# Altium PCB PCB2.PcbDoc (part 5 of 5)
Units mil, origin at the board's own origin, x right, y up, seen from the top; angles counter-clockwise.
Board outline 7251.01 x 4901 mil, 2 copper layers (Top Layer, Bottom Layer); 561 components, 222 nets, 3589 pads, 148 vias.
Unrouted connection lines stored in the file: 457.
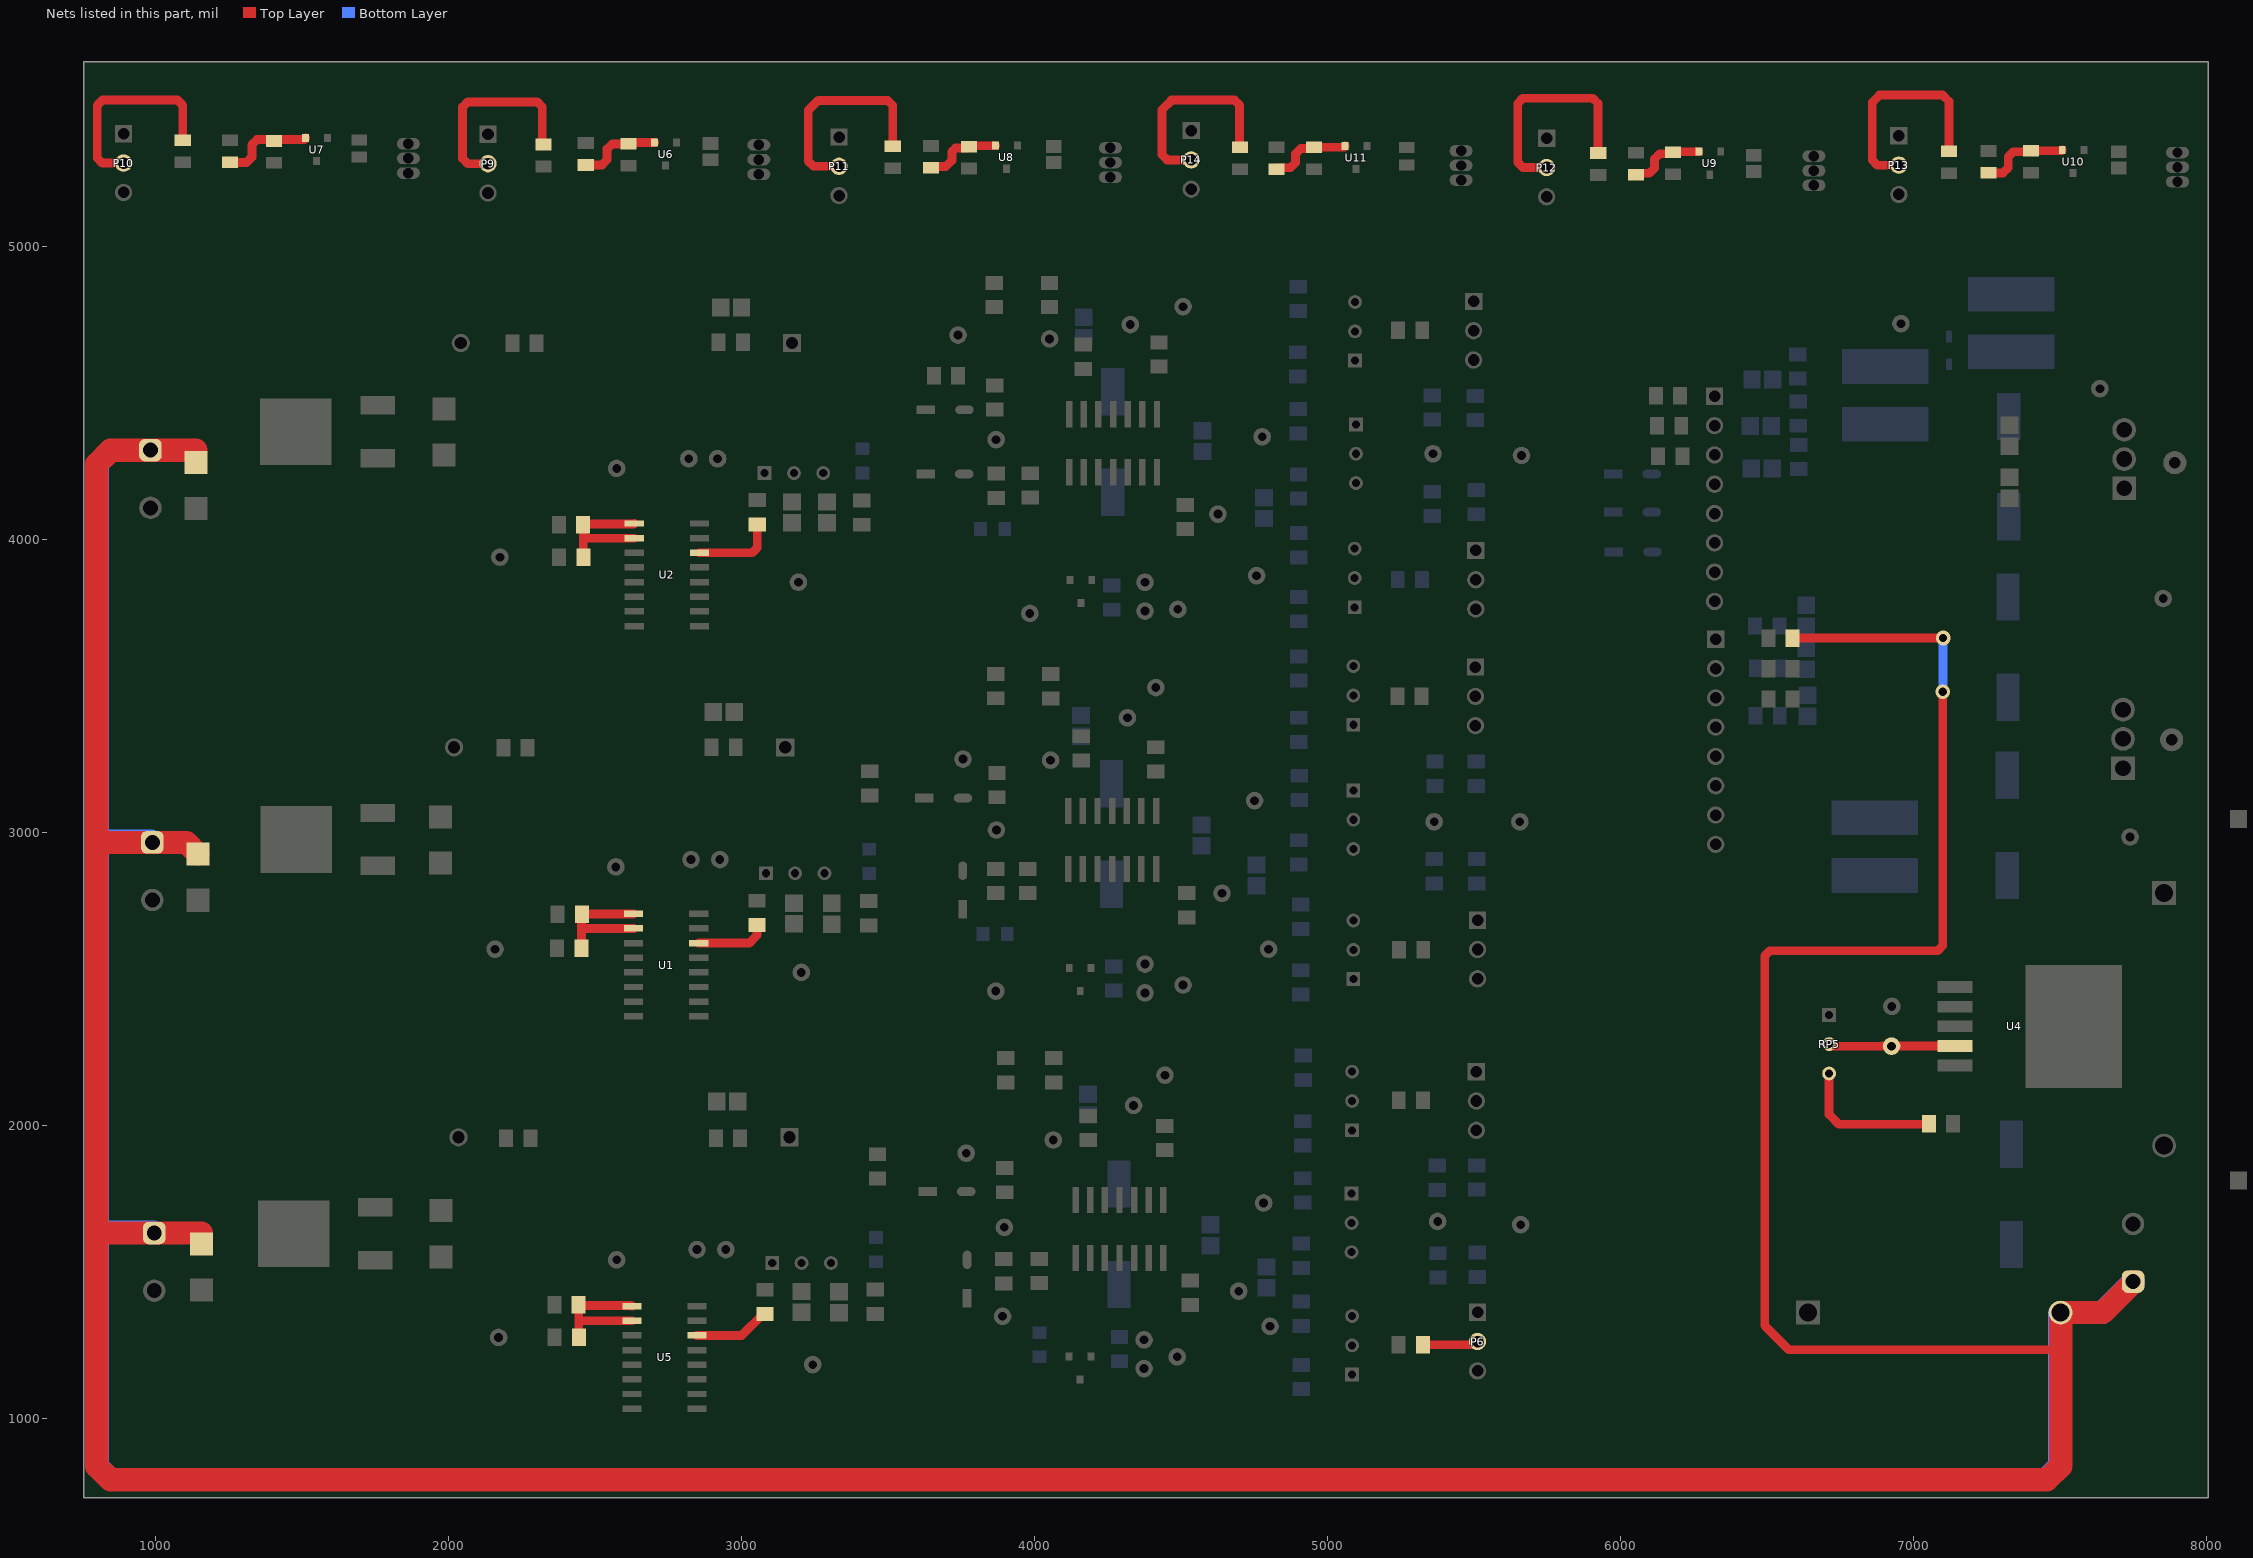
[diagram p5: the nets of this part, all layers, seen from the top]

## Via types
v1: diameter 60/60 (per signal layer), hole 28, Top Layer to Bottom Layer, 93 vias
v2: diameter 50, hole 28, Top Layer to Bottom Layer, 55 vias

## Nets (pads, with @x,y where several pads share a name; then routed paths per layer and width w, separated by ;. In a path a pad name is that pad's centre, name@x,y a point inside that pad or via, vN(x,y) a via of type N, cw(c..) or ccw(c..) an arc to the next point about the centre after c; other vN are vias at no path point) (continued)
NetP6_2: P6.2 R68.1 | length 191.2
  Top Layer w30: R68.1@5324.37,1250 5492.14,1250 5503.14,1261 P6.2@5511,1261
NetP9_2: P9.2 R101.2 | length 686.1
  Top Layer w30: P9.2@2133.81,5281 2064.57,5281 2047,5298.57 2047,5474.43 2064.57,5492 2301.43,5492 2319,5474.43 2319,5350.44 R101.2@2323,5346.44
NetP10_2: P10.2 R102.2 | length 703.7
  Top Layer w30: P10.2@890,5283 817.57,5283 800,5300.57 800,5480.43 817.57,5498 1074.43,5498 1092,5480.43 R102.2@1092,5360.44
NetP11_2: P11.2 R103.2 | length 733.9
  Top Layer w30: P11.2@3331.81,5272 3244.57,5272 3227,5289.57 3227,5463 3261,5497 3497.43,5497 3515,5479.43 R103.2@3515,5340.44
NetP12_2: P12.2 R110.2 | length 764.9
  Top Layer w30: P12.2@5746.81,5268 5665.57,5268 5648,5285.57 5648,5486.43 5665.57,5504 5904.43,5504 5922,5486.43 5922,5318.44 R110.2@5923,5317.44
NetP13_2: P13.2 R111.2 | length 745.6
  Top Layer w30: P13.2@6949,5276 6875.57,5276 6858,5293.57 6858,5490 6883,5515 7098.43,5515 7120,5493.43 R111.2@7120,5323.87
NetP14_2: P14.2 R112.2 | length 689.9
  Top Layer w30: P14.2@4533.81,5294 4451.57,5294 4434,5311.57 4434,5465 4467,5498 4681.43,5498 4699,5480.43 4699,5338.44 R112.2@4700,5337.44
NetP15_2: R40.1
NetP17_2: R141.1
NetP18_2: R163.1
NetP20_2: R174.2
NetP21_2: R175.2
NetP22_2: R176.2
NetP23_2: R185.1
NetP24_2: R202.2
NetP25_2: R203.2
NetP26_2: R204.2
NetP27_2: R213.1
NetP28_2: R228.1
NetQ7_1: Q7.1 R129.1 TP57.1
  other v1: 14445,1820
NetQ8_1: Q8.1 R136.1 TP62.1
  other v1: 8895,1820
NetQ8_4: Q8.4 R144.2
NetQ10_1: Q10.1 R170.1 TP79.1
  other v1: 48845,3055
NetQ11_1: Q11.1 R177.1 TP82.1
  other v1: 44565,3055
NetQ11_4: Q11.4 R188.2
NetQ13_1: Q13.1 R219.1 TP95.1
  other v1: 21680,3055
NetQ14_1: Q14.1 R223.1 TP98.1
  other v1: 18865,3055
NetQ14_4: Q14.4 R231.2
NetR8_2: R8.2 R18.2 U2.9 U2.10 | length 461.7
  Top Layer w30: R8.2@2459.37,3938 2458.87,3938.5 2458.87,4002 ; U2.10@2632.75,4003 2459.87,4003 2458.87,4002 ; U2.9@2632.75,4053 2630.75,4051 2460.37,4051 R18.2@2458.37,4049 2458.87,4048.5 2458.87,4002
NetR12_1: R12.1 U2.6 | length 284.7
  Top Layer w30: U2.6@2855.25,3953 3035.43,3953 3053,3970.57 R12.1@3053,4050.26
NetR33_2: R33.2 RP5.3 | length 495.1
  Top Layer w30: RP5.3@6711,2176 6711,2036 6744,2003 7049.63,2003 R33.2@7051.63,2005
NetR35_2: R35.2 R45.2 U1.9 U1.10 | length 471.2
  Top Layer w30: R35.2@2452.37,2604 2453.19,2604.81 2453.19,2670 ; U1.10@2630.75,2671 2454.19,2671 2453.19,2670 ; U1.9@2630.75,2721 2629.75,2720 2455,2720 R45.2@2454,2719 2453.19,2718.19 2453.19,2670
NetR39_1: R39.1 U1.6 | length 244.6
  Top Layer w30: U1.6@2853.25,2621 3025,2621 3052,2648 R39.1@3052,2682.63
NetR61_2: R61.2 R71.2 U5.9 U5.10 | length 476.5
  Top Layer w30: R71.2@2443,1387 R71.2@2443.5,1386.5 ; R61.2@2444,1276 2443.5,1276.5 2443.5,1331.5 ; U5.10@2625,1332 2444,1332 2443.5,1331.5 ; U5.9@2625,1382 2622.5,1384.5 2445.5,1384.5 R71.2@2443.5,1386.5 ; 2443.5,1331.5 R71.2@2443.5,1386.5
NetR65_1: R65.1 U5.6 | length 261.7
  Top Layer w30: U5.6@2847.5,1282 3000.06,1282 3073.06,1355 R65.1@3079,1355
NetR104_2: R104.2 R107.1 U6.2 | length 288.4
  Top Layer w30: R104.2@2467,5276.56 2522.43,5276.56 2540,5294.14 2540,5330.86 2557.57,5348.44 R107.1@2613,5348.44 2617.56,5353 U6.2@2702.2,5353
NetR105_2: R105.2 R108.1 U7.2 | length 317.8
  Top Layer w30: R105.2@1253,5285.56 1310.43,5285.56 1328,5303.14 1328,5345.67 1345.57,5363.25 1506.48,5363.25 U7.2@1511.6,5368.37
NetR106_2: R106.2 R109.1 U8.2 | length 268.5
  Top Layer w30: R106.2@3646,5266.56 3650.81,5271.38 3696.38,5271.38 3717,5292 3717,5321.86 3729.76,5334.62 3770.19,5334.62 R109.1@3775,5339.44 3777.93,5342.37 U8.2@3865.6,5342.37
NetR113_2: R113.2 R116.1 U9.2 | length 264.9
  Top Layer w30: R113.2@6052,5243.56 6056.81,5248.38 6097.43,5248.38 6115,5265.95 6115,5297.05 6132.57,5314.62 6173.19,5314.62 R116.1@6178,5319.44 6180.56,5322 U9.2@6266.2,5322
NetR114_2: R114.2 R117.1 U10.2 | length 305.7
  Top Layer w30: R114.2@7255,5249.56 7304.43,5249.56 7322,5267.14 7322,5304.43 7339.57,5322 7396.56,5322 R117.1@7400,5325.44 7504.66,5325.44 U10.2@7506.6,5327.37
NetR115_2: R115.2 R118.1 U11.2 | length 284
  Top Layer w30: R115.2@4825,5262.56 4829.81,5267.38 4872.43,5267.38 4890,5284.95 4890,5314.43 4908.2,5332.62 4948.19,5332.62 R118.1@4953,5337.44 5055.63,5337.44 U11.2@5059.2,5341
NetR127_1: R127.1 R129.2
NetR136_2: R136.2 R143.2
NetR138_1: R138.1
NetR167_2: R167.2 RP18.3
NetR168_1: R168.1 R170.2
NetR177_2: R177.2 R187.2
NetR179_1: R179.1
NetR182_2: R182.2 R190.1 U16.2
NetR183_2: R183.2 R191.1 U17.2
NetR184_2: R184.2 R192.1 U18.2
NetR206_2: R206.2 R209.1 U19.2
NetR207_2: R207.2 R210.1 U20.2
NetR208_2: R208.2 R211.1 U21.2
NetR217_1: R217.1 R219.2
NetR223_2: R223.2 R230.2
NetR225_1: R225.1
NetRP5_2: RP5.2 TP19.1 U4.4 | length 819.4
  Top Layer w30: RP5.2@6711,2276 6715.67,2276 RP5.2@6722.67,2269 ; TP19.1@6924,2269 6909,2269 6893.07,2269 RP5.2@6722.67,2269 ; 6954.93,2269 U4.4@7140.19,2269.5 ; U4.4@7140.69,2269.99 U4.4@7140.19,2269.5 ; RP5.2@6722.67,2269 6893.08,2269.36 6924,2269.43 6954.92,2269.5 U4.4@7140.19,2269.5
NetRP18_2: RP18.2 TP73.1
  other v1: 54305,3055
VCC: CR2.2 CR3.2 D1.2 D6.2 D12.2 J1.1 J2.1 J4.1 J5.1 Q7.4 Q10.4 Q13.4 R91.2 R157.2 | length 28216.9
  Top Layer w30: 781,2950.43 798.57,2968 ; 798.57,3879 801.57,3882 ; D1.2@1137,4261.74 1137,4302.43 ; D12.2@1156,1593.74 D12.2@1156,1631.47 ; R91.2@6586.37,3662 v2(7100,3662) ; v2(7099,3479) 7099,2612.57 7081.43,2595 6508.57,2595 6491,2577.43 6491,1315 6573,1233 7501,1233
  Top Layer w78.74: 798.57,2964.85 J2.1@988,2964.85 1103.89,2964.85 D6.2@1144,2924.74 ; J5.1@994.73,1631.47 D12.2@1156,1631.47 ; CR2.2@7501,1360 7644.44,1360 7748.31,1463.87 J1.1@7748.31,1465.57
  Top Layer w80: J5.1@994.69,1631.43 798.57,1631.43 ; 1137,4302.43 984.69,4302.43 845.44,4302.43 798.57,4255.57 798.57,3879 798.57,2968 798.57,2964.85 798.57,1631.43 ; CR2.2@7501,1360 7501,1233 7501,835.86 7454.14,789 845.44,789 798.57,835.86 798.57,1631.43
  Bottom Layer w30: J2.1@983.85,2969 J2.1@988,2964.85 ; J5.1@992.12,1634 J5.1@994.69,1631.43 ; v2(7099,3479) 7100,3480 v2(7100,3662) ; J1.1@7748.69,1465.57 J1.1@7749,1466
  Bottom Layer w78.74: J2.1@983.85,2969 812.57,2969 801,2980.57 ; J4.1@984.69,4302.43 847.12,4302.43 801,4256.31 801,2980.57 ; J5.1@992.12,1634 812.57,1634 801,1645.57 ; CR2.2@7497,1356 7497,836.12 7450.88,790 847.12,790 801,836.12 801,1645.57 ; CR2.2@7501,1360 7643,1360 J1.1@7749,1466 ; 801,1645.57 801,2980.57
pads on no net: U1.3 U2.3 U5.3
copper on no net:
  other v1: 4486,1209 2170,1275 4803,1313 3890,1347 4696,1433 2573,1540 5658.22,1659.78 5375,1671 4781,1734 3766,1904 4063,1949 4337,2067 4506,2478 4798,2600 4639,2791 3869,3007 5363,3035 5655.44,3035 4750,3107 4054,3245 3755,3249 4316,3390 4413,3493 3983,3746 4488,3760 4757,3875 5661,4285 5359,4291 4776,4349 3738,4696 4326,4732 6956,4735 4506,4793

## Silkscreen, mask and mechanical layers (free items; w line width, h text height)
Top Solder:
  circle w80: c1029,1024 r120
  circle w80: c958,4786 r120
  circle w39.37: c1830,5105 r66.93
  circle w39.37: c1831,5508 r66.93
  circle w80: c7761,976 r120
  circle w39.37: c3031,5100 r66.93
  circle w39.37: c3033,5504 r66.93
  circle w39.37: c4232,5108 r66.93
  circle w39.37: c4233,5511 r66.93
  circle w39.37: c5434,5102 r66.93
  circle w39.37: c5435,5505 r66.93
  circle w80: c7797,4783 r120
  circle w39.37: c6641,5095 r66.93
  circle w39.37: c6643,5499 r66.93
  circle w39.37: c7867,5099 r66.93
  circle w39.37: c7868,5502 r66.93
  rectangle: 1216,3129 1219,3132
Bottom Solder:
  circle w80: c1027,1024 r120
  circle w80: c957,4783 r120
  circle w39.37: c1831,5105 r66.93
  circle w39.37: c1832,5508 r66.93
  circle w39.37: c3032,5101 r66.93
  circle w39.37: c3033,5504 r66.93
  circle w80: c7760,979 r120
  circle w39.37: c4233,5108 r66.93
  circle w39.37: c4233,5512 r66.93
  circle w39.37: c6641,5095 r66.93
  circle w39.37: c5434,5102 r66.93
  circle w39.37: c6642,5499 r66.93
  circle w39.37: c5435,5506 r66.93
  circle w80: c7800,4782 r120
  circle w39.37: c7866,5099 r66.93
  circle w39.37: c7868,5503 r66.93
Mechanical 1:
  circle w10: c1030,1026 r100
  circle w10: c1471.11,1282.58 r43.01
  circle w10: c1468.79,1993 r43.01
  circle w10: c1471.15,2622.87 r43.01
  circle w10: c1469,3333 r43.01
  circle w10: c956,4786 r100
  circle w10: c1457.69,4730 r43.01
  circle w10: c1460.53,4011.22 r43.01
  circle w10: c1830,5105 r39.37
  circle w10: c1831.22,5508.46 r39.37
  circle w10: c3032,5100 r39.37
  circle w10: c3033.22,5503.46 r39.37
  circle w10: c7760,975 r100
  circle w10: c7797,4783 r100
  circle w10: c4232,5108 r39.37
  circle w10: c4233.22,5511.46 r39.37
  circle w10: c5434,5102 r39.37
  circle w10: c5435.22,5505.46 r39.37
  circle w10: c6641,5095 r39.37
  circle w10: c6642.22,5498.46 r39.37
  circle w10: c7867,5099 r39.37
  circle w10: c7868.22,5502.46 r39.37
  pour cut-out: 1428.1,1282.58 ccw(c1471.11,1282.58) 1471.11,1239.56 ccw(c1471.11,1282.58) 1514.12,1282.58 ccw(c1471.11,1282.58) 1471.11,1325.59 ccw(c1471.11,1282.58)
  pour cut-out: 1425.78,1993 ccw(c1468.79,1993) 1468.79,1949.99 ccw(c1468.79,1993) 1511.8,1993 ccw(c1468.79,1993) 1468.79,2036.01 ccw(c1468.79,1993)
  pour cut-out: 1428.14,2622.87 ccw(c1471.15,2622.87) 1471.15,2579.86 ccw(c1471.15,2622.87) 1514.16,2622.87 ccw(c1471.15,2622.87) 1471.15,2665.89 ccw(c1471.15,2622.87)
  pour cut-out: 1413.57,4729.76 ccw(c1456.58,4729.76) 1456.58,4686.75 ccw(c1456.58,4729.76) 1499.6,4729.76 ccw(c1456.58,4729.76) 1456.58,4772.77 ccw(c1456.58,4729.76)
  pour cut-out: 1425.99,3333 ccw(c1469,3333) 1469,3289.99 ccw(c1469,3333) 1512.01,3333 ccw(c1469,3333) 1469,3376.01 ccw(c1469,3333)
  pour cut-out: 1928.72,5039.79 1928.68,5540.02 cw(c1957.15,5540.02) 1985.62,5539.93 1985.67,5039.79 cw(c1957.19,5039.79)
  pour cut-out: 3130.25,5040.79 3130.21,5541.02 cw(c3158.68,5541.02) 3187.15,5540.93 3187.19,5040.79 cw(c3158.72,5040.79)
  pour cut-out: 4332.23,5039.79 4332.18,5540.02 cw(c4360.66,5540.02) 4389.13,5539.93 4389.17,5039.79 cw(c4360.7,5039.79)
  pour cut-out: 5536.24,5040.79 5536.19,5541.02 cw(c5564.66,5541.02) 5593.14,5540.93 5593.18,5040.79 cw(c5564.71,5040.79)
  pour cut-out: 6743.23,5039.79 6743.18,5540.02 cw(c6771.66,5540.02) 6800.13,5539.93 6800.17,5039.79 cw(c6771.7,5039.79)
  lines w0.5: 792,4960.94 1860.22,4961.04 ccw(c1860.22,4989.52) 1860.22,5017.99 792.09,5017.99 ccw(c792,4989.52) 792,4961.04 ; 2024.78,4962.43 3093,4962.52 ; 2024.78,4962.53 cw(c2024.78,4991) 2024.87,5019.47 3093,5019.47 cw(c3093,4991) 3093,4962.53 ; 3230.78,4959.43 4299,4959.52 ; 3230.78,4959.53 cw(c3230.78,4988) 3230.87,5016.47 4299,5016.47 cw(c4299,4988) 4299,4959.53 ; 4423.78,4959.43 5492,4959.52 ; 4423.78,4959.53 cw(c4423.78,4988) 4423.87,5016.47 5492,5016.47 cw(c5492,4988) 5492,4959.53 ; 5638.78,4960.43 6707,4960.52 ; 5638.78,4960.53 cw(c5638.78,4989) 5638.87,5017.47 6707,5017.47 cw(c6707,4989) 6707,4960.53 ; 6854.78,4964.43 7923,4964.52 ; 6854.78,4964.53 cw(c6854.78,4993) 6854.87,5021.47 7923,5021.47 cw(c7923,4993) 7923,4964.53 ; 1928.72,5039.79 ccw(c1957.19,5039.79) 1985.67,5039.79 1985.62,5539.93 ccw(c1957.15,5540.02) 1928.68,5540.02 1928.72,5039.79 ; 3130.21,5541.02 cw(c3158.68,5541.02) 3187.15,5540.93 3187.19,5040.79 cw(c3158.72,5040.79) 3130.25,5040.79 3130.2,5541.02 ; 4332.18,5540.02 cw(c4360.66,5540.02) 4389.13,5539.93 4389.17,5039.79 cw(c4360.7,5039.79) 4332.23,5039.79 4332.18,5540.02 ; 5536.19,5541.02 cw(c5564.66,5541.02) 5593.14,5540.93 5593.18,5040.79 cw(c5564.71,5040.79) 5536.24,5040.79 5536.19,5541.02 ; 6743.18,5540.02 cw(c6771.66,5540.02) 6800.13,5539.93 6800.17,5039.79 cw(c6771.7,5039.79) 6743.23,5039.79 6743.18,5540.02
  lines w10: 754,732 7994,732 7994,5620 754,5620 754,732
  lines w47.24: 749,739 749,5634 ; 7989,749 7989,5634
  lines w51.18: 754,728 8005.01,728 8005.01,5629 754,5629 754,728
Top Assembly:
  drawing of 216 lines, arcs and shapes, not listed
  text "J4" at 990.02,4257.7 h30 r90
  text "J2" at 993.33,2920.11 h30 r90
  text "J1" at 7733.83,1776.4 h30 r270
  text "J5" at 1000.02,1586.7 h30 r90
Top 3D Body:
  drawing of 1068 lines, arcs and shapes, not listed
  text "R88" at 2966.5,4675.94 h30
  text "R86" at 2253.87,4663.06 h30 r180
  text "Q1" at 1623.02,4370.5 h30 r90
  text "D16" at 1987.5,4360.5 h30 r270
  text "C2" at 7331.94,4348.04 h30 r270
  text "D4" at 3409.09,4262.5 h30 r270
  text "RP3" at 3175.53,4220.3 h30 r270
  text "D1" at 1132.5,4187.5 h30 r90
  text "C3" at 7322.06,4179.5 h30 r90
  text "R12" at 3048.5,4096.13 h30 r90
  text "C5" at 3286.06,4095.5 h30 r90
  text "R11" at 3405.5,4094.5 h30 r90
  text "C4" at 3176.94,4086.5 h30 r270
  text "R13" at 3534.94,4085.5 h30 r270
  text "R18" at 2421.5,4053.94 h30
  text "R8" at 2422.5,3942.94 h30
  text "R97" at 2942.5,3293.94 h30
  text "R95" at 2222.87,3282.06 h30 r180
  text "Q3" at 1588.02,2979.5 h30 r90
  text "D8" at 1976.5,2968.5 h30 r270
  text "D10" at 3432.53,2895.5 h30 r270
  text "RP8" at 3179.53,2854.5 h30 r270
  text "D6" at 1139.5,2850.5 h30 r90
  text "R39" at 3047.06,2728.5 h30 r90
  text "R38" at 3428.06,2727.5 h30 r90
  text "C15" at 3302.06,2725.5 h30 r90
  text "R45" at 2417.13,2723.94 h30
  text "R40" at 3556.94,2719.5 h30 r270
  text "C14" at 3182.94,2717.5 h30 r270
  text "R35" at 2415.5,2608.94 h30
  text "U4" at 7400.5,2332.5 h30 r270
  text "RP5" at 6706.3,2278.47 h30 r180
  text "R33" at 7088.5,2000.06 h30 r180
  text "R100" at 2957.5,1959.94 h30
  text "R98" at 2232.5,1950.06 h30 r180
  text "Q5" at 1579.02,1633.5 h30 r90
  text "D14" at 1978.5,1624.5 h30 r270
  text "D17" at 3455.09,1570.5 h30 r270
  text "RP12" at 3201.09,1524.3 h30 r270
  text "D12" at 1151.5,1519.5 h30 r90
  text "R65" at 3074.06,1400.87 h30 r90
  text "R64" at 3451.06,1401.5 h30 r90
  text "C21" at 3326.06,1399.5 h30 r90
  text "C20" at 3207.94,1392.04 h30 r270
  text "R71" at 2406.13,1391.5 h30
  text "R61" at 2407.13,1280.94 h30
Bottom 3D Body:
  drawing of 367 lines, arcs and shapes, not listed
  text "*" at 2815.5,3726.17 h30 r180
  text "*" at 2813.5,2394.17 h30 r180
  text "*" at 2807.75,1055.17 h30 r180
Top Courtyard:
  drawing of 151 lines, arcs and shapes, not listed
  text "R88" at 2887.5,4758.5 h30
  text "R86" at 2184.5,4755.5 h30
  text "Q1" at 1729,4547 h30
  text "D16" at 1932.5,4525.5 h30
  text "C2" at 7287.5,4475.5 h30
  text "TP1" at 7624.5,4466.5 h30
  text "D1" at 1152.49,4352.51 h30 r90
  text "D4" at 3479.5,4325.83 h30 r270
  text "TP2" at 2541.5,4321.5 h30
  text "C3" at 7287.5,4298.5 h30
  text "TP2" at 2479.5,4292.5 h30
  text "R12" at 3009.5,4209.5 h30
  text "C5" at 3246.5,4209.5 h30
  text "R11" at 3366.5,4208.5 h30
  text "R13" at 3599.5,4168.99 h30 r270
  text "C4" at 3261.5,4140.49 h30 r270
  text "R8" at 2343.5,4025.5 h30
  text "TP12" at 3112.31,3965 h30
  text "R18" at 2406.99,3957.5 h30 r180
  text "*" at 2873.25,3678.17 h30 r180
  text "U2" at 2816.48,3588.49 h30 r180
  text "R97" at 2863.5,3376.5 h30
  text "R95" at 2153.5,3374.5 h30
  text "Q3" at 1363.5,3149.5 h30
  text "D8" at 1921.5,3133.5 h30
  text "TP4" at 7706.5,3063.5 h30
  text "D10" at 3415.5,3028.5 h30
  text "D6" at 1093.5,3006.5 h30
  text "TP26" at 2538.5,2961.5 h30
  text "R39" at 3013.5,2847.5 h30
  text "R40" at 3513.5,2847.5 h30
  text "C14" at 3138.5,2845.5 h30
  text "R38" at 3394.5,2846.5 h30
  text "C15" at 3267.5,2844.5 h30
  text "R45" at 2338.5,2806.5 h30
  text "R35" at 2336.5,2691.5 h30
  text "TP25" at 2126.5,2680.5 h30
  text "TP24" at 3171.5,2601.5 h30
  text "U4" at 7062.5,2589.5 h30
  text "TP18" at 6893.5,2485.5 h30
  text "TP19" at 6892.5,2349.5 h30
  text "*" at 2871.25,2346.17 h30 r180
  text "U1" at 2661.49,2292.49 h30 r180
  text "R33" at 7018.5,2092.5 h30
  text "R98" at 2162.5,2042.5 h30
  text "R100" at 2878.5,2042.5 h30
  text "Q5" at 1354.5,1803.5 h30
  text "D14" at 1923.5,1789.5 h30
  text "D17" at 3438.5,1703.5 h30
  text "D12" at 1105.5,1675.5 h30
  text "TP41" at 2541.5,1620.5 h30
  text "R65" at 3040.5,1519.5 h30
  text "C20" at 3163.5,1519.5 h30
  text "R64" at 3417.5,1520.5 h30
  text "C21" at 3291.5,1518.5 h30
  text "R71" at 2327.5,1474.5 h30
  text "U5" at 2571.5,1473.5 h30
  text "R61" at 2328.5,1363.5 h30
  text "TP40" at 2138.5,1355.5 h30
  text "TP39" at 3210.5,1264.5 h30
  text "*" at 2865.5,1007.17 h30 r180
Bottom Courtyard:
  drawing of 429 lines, arcs and shapes, not listed
Mechanical 8:
  drawing of 323 lines, arcs and shapes, not listed
Mechanical 9:
  region: 7279.63,2932.19 7358.37,2932.19 7358.37,2770.77 7279.63,2770.77
  region: 7279.63,3274.71 7358.37,3274.71 7358.37,3113.29 7279.63,3113.29
  region: 7361.37,3721.55 7282.63,3721.55 7282.63,3882.97 7361.37,3882.97
  region: 7361.37,3540.45 7361.37,3379.03 7282.63,3379.03 7282.63,3540.45
  region: 7284.63,4156.45 7363.37,4156.45 7363.37,3995.03 7284.63,3995.03
  region: 7284.63,4498.97 7363.37,4498.97 7363.37,4337.55 7284.63,4337.55
  region: 7290.63,1799.97 7369.37,1799.97 7369.37,1638.55 7290.63,1638.55
  lines w0.5: 1862,2969 1862,3609 3304,3609 3304,2969 1862,2969 ; 1877,1638 1877,2278 3319,2278 3319,1638 1877,1638 ; 1885,4349 1885,4989 3327,4989 3327,4349 1885,4349 ; 7734.5,1874.5 7734.5,2847.5 7973.5,2847.5 7973.5,1874.5 7734.5,1874.5
Mechanical 10:
  drawing of 420 lines, arcs and shapes, not listed
Mechanical 11:
  drawing of 60 lines, arcs and shapes, not listed
Mechanical 12:
  circle w0.5: c2170,1275 r15
  circle w0.5: c994.69,1434.58 r25.59
  circle w0.5: c2573,1540 r15
  circle w0.5: c2847,1575 r15
  circle w0.5: c2945.43,1575 r15
  circle w0.5: c994.69,1631.43 r25.59
  circle w0.5: c2033,1958 r21
  circle w0.5: c3242,1184 r15
  circle w0.5: c3104,1529 r13.78
  circle w0.5: c3304,1529 r13.78
  circle w0.5: c3204,1529 r13.78
  circle w0.5: c3163,1958 r21
  circle w0.5: c2158,2600 r15
  circle w0.5: c988,2768 r25.59
  circle w0.5: c2570,2881 r15
  circle w0.5: c2826.57,2906 r15
  circle w0.5: c2925,2906 r15
  circle w0.5: c988,2964.85 r25.59
  circle w0.5: c3203,2521 r15
  circle w0.5: c3082,2859.2 r13.78
  circle w0.5: c3182,2859.2 r13.78
  circle w0.5: c3282,2859.2 r13.78
  circle w0.5: c2018,3289 r21
  circle w0.5: c2173,3938 r15
  circle w0.5: c984.69,4105.58 r25.59
  circle w0.5: c2573,4241 r15
  circle w0.5: c2819,4274 r15
  circle w0.5: c2917.43,4274 r15
  circle w0.5: c984.69,4302.43 r25.59
  circle w0.5: c3148,3289 r21
  circle w0.5: c3193.29,3852.5 r15
  circle w0.5: c3078,4225 r13.78
  circle w0.5: c3178,4225 r13.78
  circle w0.5: c3278,4225 r13.78
  circle w0.5: c2041,4669 r21
  circle w0.5: c3171,4669 r21
  circle w0.5: c7749,1662.85 r25.59
  circle w0.5: c7854,1930 r30.5
  circle w0.5: c6711,2176 r13.78
  circle w0.5: c6924,2269 r15
  circle w0.5: c6711,2276 r13.78
  circle w0.5: c6711,2376 r13.78
  circle w0.5: c6925,2405 r15
  circle w0.5: c7854,2792 r30.5
  circle w0.5: c7738,2983 r15
  circle w0.5: c7853,3796 r15
Mechanical 13:
  circle w0.5: c2170,1275 r14
  circle w0.5: c2573,1540 r14
  circle w0.5: c3456,1178 r14
  circle w0.5: c3242,1184 r14
  circle w0.5: c3436,2522 r14
  circle w0.5: c3411,3856 r14
Mechanical 14:
  lines w6: 7829,2933 7879,2933 ; 7834,2903 7854,2933 ; 7839,2903 7854,2933 ; 7844,2903 7854,2933 ; 7849,2903 7854,2933 ; 7854,2893 7854,2943 ; 7859,2903 7854,2933 ; 7864,2903 7854,2933 ; 7869,2903 7854,2933 ; 7874,2903 7854,2933 ; 7854,2933 7829,2903 7879,2903 7854,2933 ; 2143,3089 2143,3489 3023,3489 3023,3089 2143,3089 ; 2158,1758 2158,2158 3038,2158 3038,1758 2158,1758 ; 2166,4469 2166,4869 3046,4869 3046,4469 2166,4469 ; 7744.5,2169 7744.5,2553 7963.5,2553 7963.5,2169 7744.5,2169
  lines w7.87: 856.11,2669.57 1145.48,2669.57 1145.48,3063.27 1060.83,3063.27 1070.68,3086.89 1023.43,3086.89 1033.27,3063.27 791.15,3063.27 791.15,2669.57 828.55,2669.57 818.72,2645.94 865.96,2645.94 856.13,2669.57 ; 1057.52,4400.85 1142.17,4400.85 1142.17,4007.15 852.8,4007.15 862.65,3983.52 815.4,3983.52 825.24,4007.15 787.83,4007.15 787.83,4400.85 1029.95,4400.85 1020.12,4424.48 1067.36,4424.48 1057.53,4400.85 ; 1067.52,1729.85 1152.17,1729.85 1152.17,1336.15 862.8,1336.15 872.65,1312.52 825.4,1312.52 835.24,1336.15 797.83,1336.15 797.83,1729.85 1039.95,1729.85 1030.12,1753.48 1077.36,1753.48 1067.53,1729.85 ; 7127.24,1750.76 7127.24,1400.36 7228.62,1345.24 ; 7240.26,2819.98 7217.62,2819.98 7116.24,2875.1 7116.24,3225.5 7240.26,3225.5 ; 7243.26,3428.24 7119.24,3428.24 7119.24,3778.64 7220.62,3833.76 7243.26,3833.76 ; 7245.26,4044.24 7222.62,4044.24 7121.24,4099.36 7121.24,4449.76 7245.26,4449.76 ; 7397.74,2819.98 7420.38,2819.98 7521.76,2875.1 7521.76,3225.5 7397.74,3225.5 ; 7400.74,3428.24 7524.76,3428.24 7524.76,3778.64 7423.38,3833.76 7400.74,3833.76 ; 7402.74,4044.24 7425.38,4044.24 7526.76,4099.36 7526.76,4449.76 7402.74,4449.76 ; 7408.74,1750.76 7532.76,1750.76 7532.76,1400.36 7431.38,1345.24 ; 7591.52,1367.58 7591.52,1761.28 7880.89,1761.28 ; 7705.64,1363 7945.85,1363 7945.85,1761.28 7908.45,1761.28 7918.28,1784.91 7871.04,1784.91 7880.87,1761.28 ; 7319,2747.15 ccw(c7319,2749.12) 7319,2751.09 ; 7319,2747.15 cw(c7319,2749.12) 7319,2751.09 ; 7319,2747.15 ccw(c7319,2749.12) 7319,2751.09 ; 7322,3902.65 cw(c7322,3904.62) 7322,3906.59 ; 7322,3902.65 cw(c7322,3904.62) 7322,3906.59 ; 7322,3902.65 ccw(c7322,3904.62) 7322,3906.59 ; 7324,3971.41 cw(c7324,3973.38) 7324,3975.35 ; 7324,3971.41 ccw(c7324,3973.38) 7324,3975.35 ; 7324,3971.41 ccw(c7324,3973.38) 7324,3975.35 ; 2985.48,4127.17 3370.52,4127.17 3370.52,4322.44 2985.48,4322.44 2985.48,4127.17 ; 2989.48,2761.36 2989.48,2956.64 3374.52,2956.64 3374.52,2761.36 2989.48,2761.36 ; 3011.48,1431.17 3396.52,1431.17 3396.52,1626.44 3011.48,1626.44 3011.48,1431.17 ; 6613.17,2083.48 6808.44,2083.48 6808.44,2468.52 6613.17,2468.52 6613.17,2083.48
  lines w10: 2769,4224 2969,4224 2969,4324 2909,4324 2829,4324 2769,4324 2769,4224 ; 2776.57,2856 2976.57,2856 2976.57,2956 2916.57,2956 2836.57,2956 2776.57,2956 2776.57,2856 ; 2797,1525 2997,1525 2997,1625 2937,1625 2857,1625 2797,1625 2797,1525
  text "L1" at 7031.5,4777.5 h30
  text "C6" at 7562.5,4574.5 h30
  text "C6" at 7500.5,4545.5 h30
  text "R87" at 1850.5,4523.5 h30 r90
  text "J4" at 893.5,4467.5 h30
  text "J8" at 3008.93,4214.5 h30 r270
  text "RP3" at 3213.53,4082.49 h30 r180
  text "C7" at 7560.5,3958.5 h30
  text "C11" at 7557.5,3350.5 h30
  text "R96" at 1827.5,3143.5 h30 r90
  text "J2" at 896.5,3130.5 h30
  text "RP8" at 3156.5,2999.5 h30
  text "J9" at 3016.5,2846.5 h30 r270
  text "RP5" at 6810.5,2510.5 h30
  text "C12" at 7568.5,1875.5 h30
  text "CR1" at 7819.5,1840.5 h30 r180
  text "J1" at 7949.5,1828.5 h30
  text "R99" at 1842.5,1812.5 h30 r90
  text "RP12" at 3228.5,1668.5 h30
  text "J10" at 3036.5,1465.5 h30 r270
  text "J5" at 786.49,1339.48 h30 r90

## Text inside footprints (layer, text, board x,y; h text height)
*1: Mechanical 13 "*" at 4383,3048.97 h50 r270; Top Overlay "*" at 4430.97,3094.44 h50 r270
*2: Mechanical 13 "*" at 4408,1721.03 h50 r270; Top Overlay "*" at 4455.97,1766.5 h50 r270
*3: Mechanical 13 "*" at 17004,1774 h50; Top Overlay "*" at 16958.53,1821.97 h50
*4: Mechanical 13 "*" at 50614,3009 h50; Top Overlay "*" at 50568.53,3056.97 h50
*5: Mechanical 13 "*" at 23169,3009 h50; Top Overlay "*" at 23123.53,3056.97 h50
U1: Mechanical 13 "*" at 2818,2402 h50 r180; Top Overlay "*" at 2875.75,2354 h50 r180
U2: Mechanical 13 "*" at 2820,3734 h50 r180; Top Overlay "*" at 2877.75,3686 h50 r180
U5: Mechanical 13 "*" at 2812.25,1063 h50 r180; Top Overlay "*" at 2870,1015 h50 r180